# Altium PCB AnalogIO-CAN-HW-Rev1.PcbDoc (part 1 of 2) (continued)
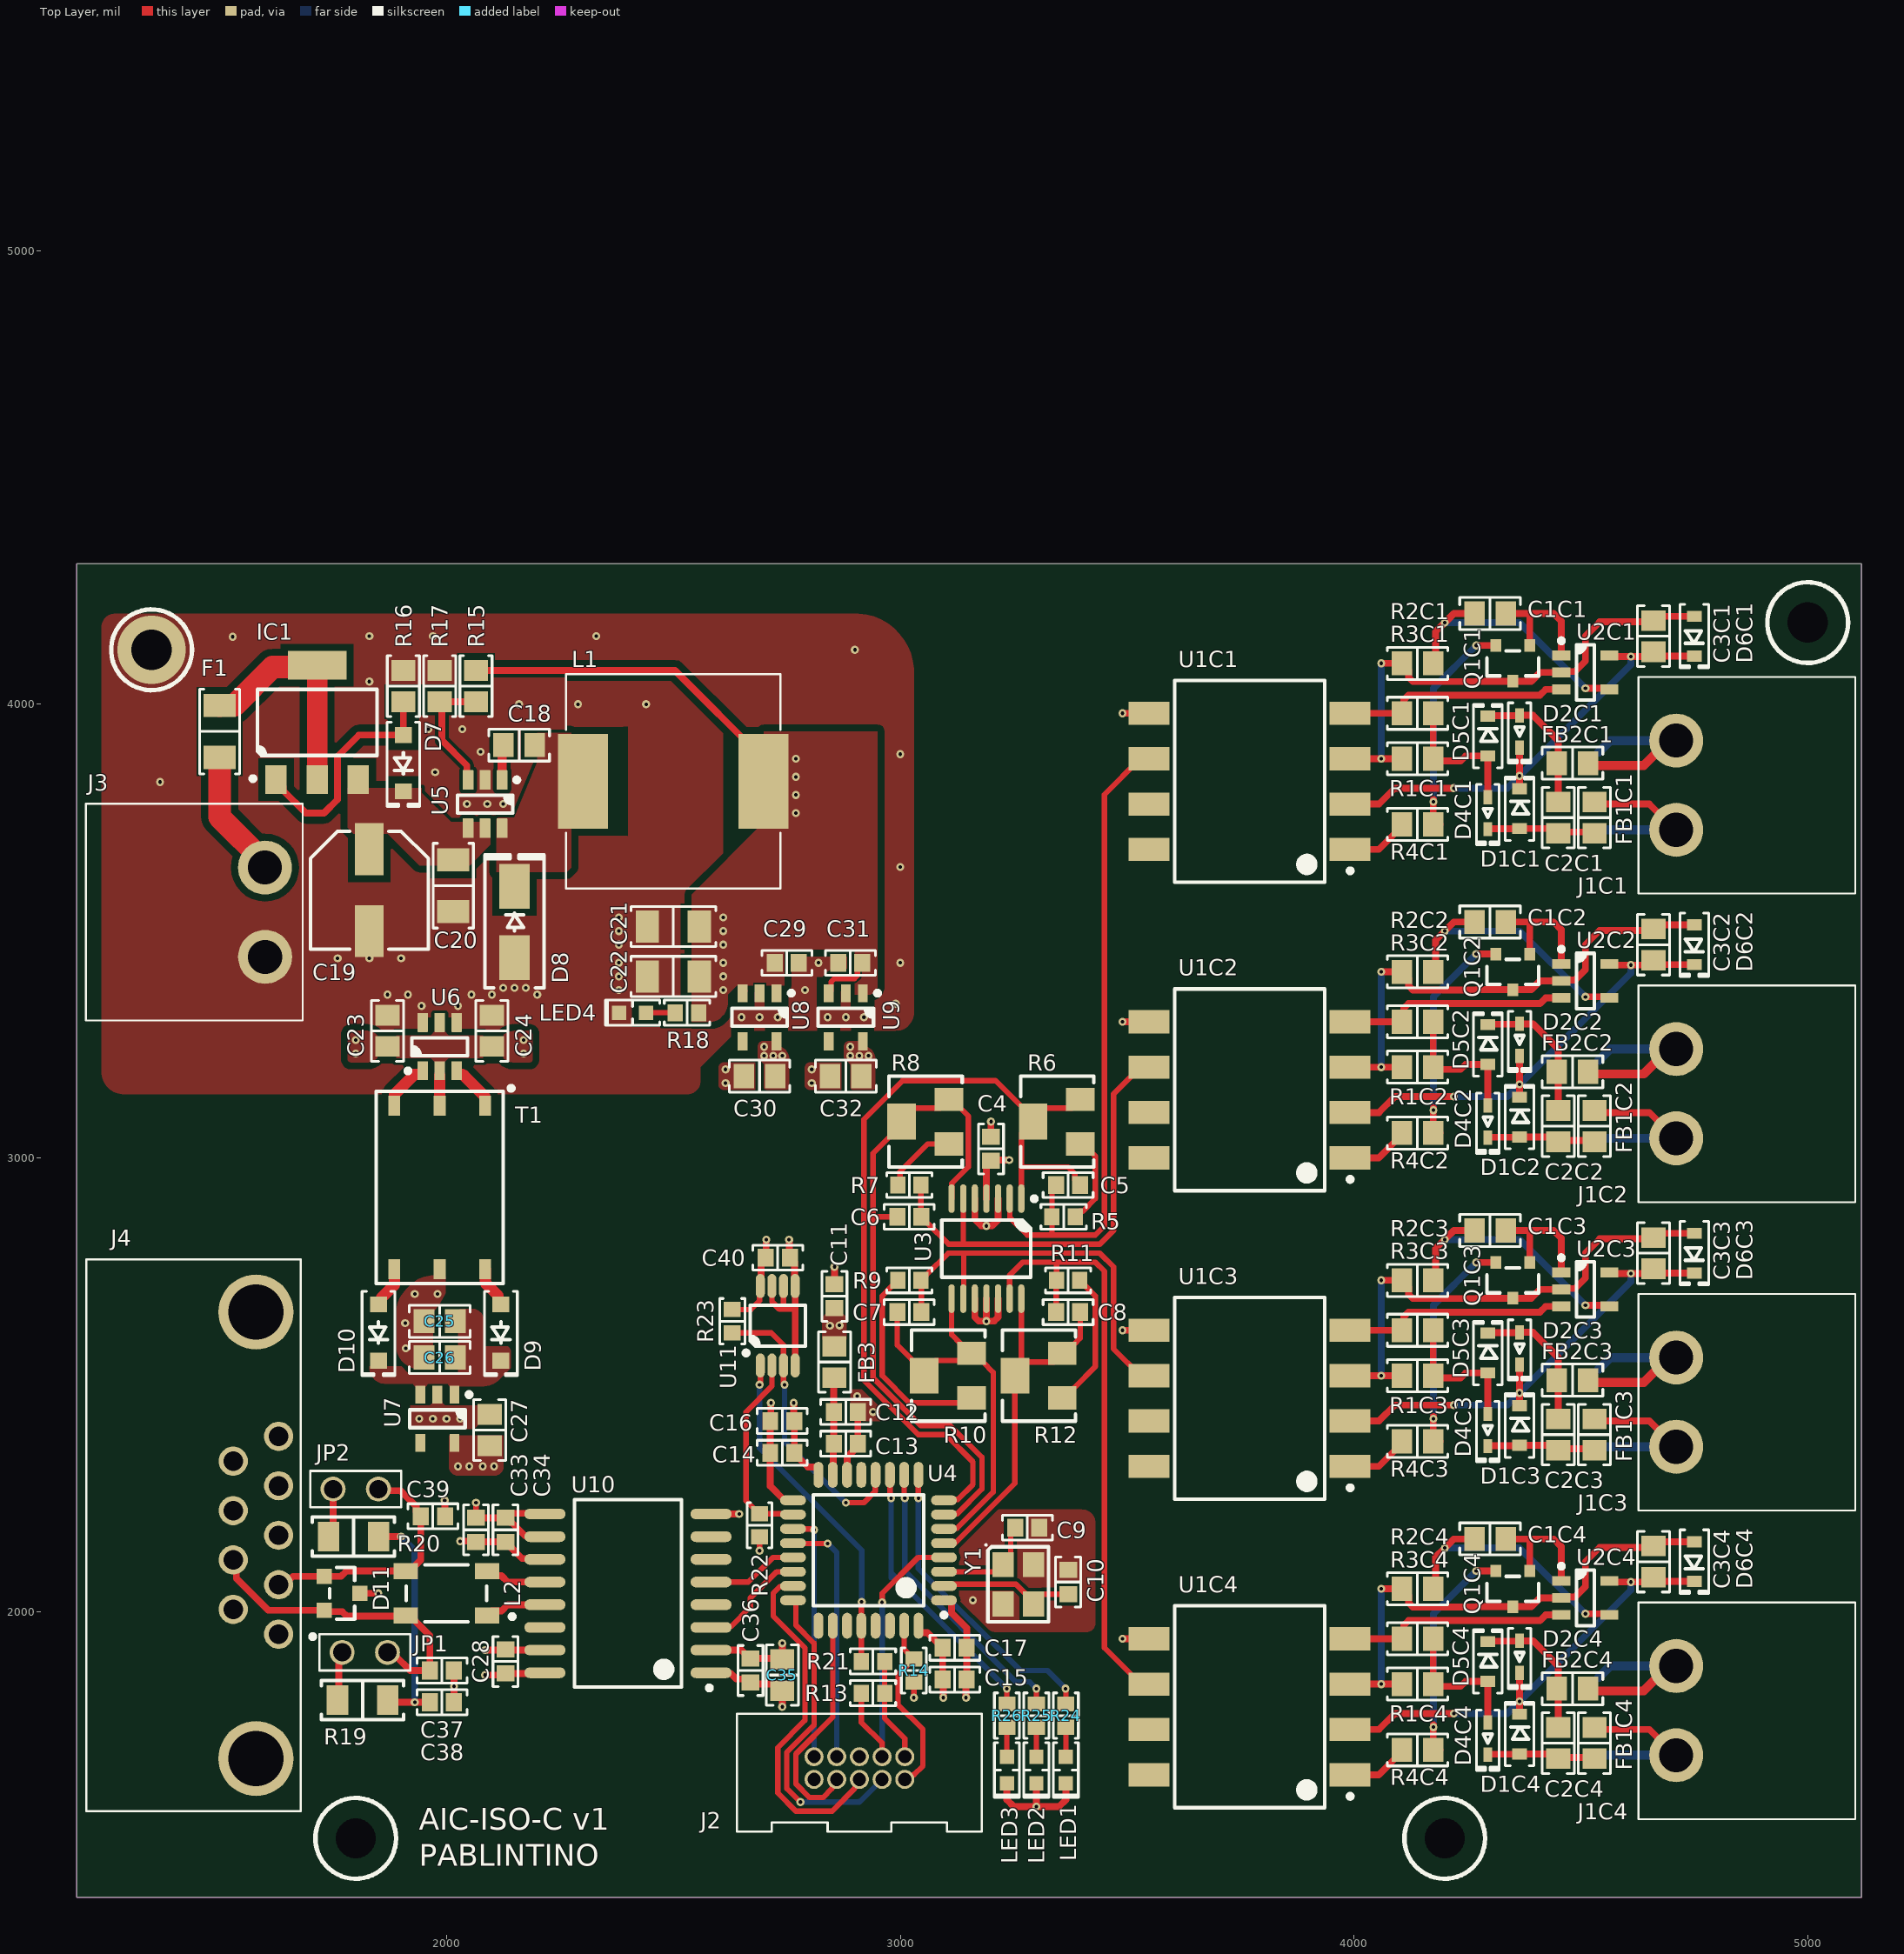
[diagram p0: Top Layer view]
## Design rules (kind name [scope] priority, off if disabled: settings)
BoardOutlineClearance [All] p1: gap=7.87 ignorepadtopadclearanceinfootprint=FALSE
Clearance PowerGNSPlanesClearance [(OnLayer('GND Layer') OR OnLayer('Power Layer'))] p1: gap=15 ignorepadtopadclearanceinfootprint=FALSE
Clearance PowerTopGNDPlaneClearance [InNamedPolygon('GND_L01_P106')] p2: gap=15 ignorepadtopadclearanceinfootprint=FALSE
Clearance GNDCrystalGuardClearance [InNamedPolygon('GND_L01_P059_OSC_GUARD')] p3: gap=8 ignorepadtopadclearanceinfootprint=FALSE
Clearance DCDCPolygonClearance [InNamedPolygon('GND_L01_P094')] p4: gap=8 ignorepadtopadclearanceinfootprint=FALSE
Clearance [All] p5: gap=4 ignorepadtopadclearanceinfootprint=FALSE except(5: Arc-Via Track-Via SMDPad-Via THPad-Via Via-Via Via-Fill Via-Poly Via-Region Via-Text; 9.84: Arc-Hole Track-Hole SMDPad-Hole THPad-Hole Via-Hole Fill-Hole Poly-Hole Region-Hole Text-Hole)
ComponentClearance [All] p1: gap=4 collisioncheckmode=3 verticalgap=4 showdistances=TRUE
DiffPairsRouting [All] p1: maxlimit=4 minlimit=4 mostfreqgap=4 toplayer_minwidth=4 toplayer_maxwidth=71497.94 toplayer_prefwidth=4 midlayer1_minwidth=4 midlayer1_maxwidth=71497.94 midlayer1_prefwidth=4 midlayer2_minwidth=4 midlayer2_maxwidth=71497.94 midlayer2_prefwidth=4 bottomlayer_minwidth=4 bottomlayer_maxwidth=71497.94 bottomlayer_prefwidth=4 maxuncoupledlength=500
Height [All] p1: minheight=0 maxheight=71497.94 prefheight=500
HoleSize [All] p1: absolutevalues=TRUE maxlimit=248.03 minlimit=7.87 maxpercent=80.000 minpercent=20.000
HoleToHoleClearance [All] p1: gap=9.84 allowstackedmicrovias=FALSE
MinimumAnnularRing [All] p1: minimumring=3
MinimumSolderMaskSliver [All] p1: minsoldermaskwidth=0
PlaneClearance [All] p1: clearance=4
PlaneConnect PlaneConnectPowerPads [InPadClass('PowerPads')] p1: planeconnectstyle=Direct reliefexpansion=20 reliefentries=4 reliefconductorwidth=10 reliefairgap=10
PlaneConnect [All] p2: pad.planeconnectstyle=Relief pad.reliefexpansion=11.81 pad.reliefentries=4 pad.reliefconductorwidth=4 pad.reliefairgap=4 via.planeconnectstyle=Direct via.reliefexpansion=11.81 via.reliefentries=4 via.reliefconductorwidth=5 via.reliefairgap=5
PolygonConnect PolygonConnectPowerConverter [InPolygonClass('PowerConverterClass')] p1: connectstyle=Direct reliefconductorwidth=4 reliefentries=4 polygonreliefangle="90 Angle" airgapwidth=4
PolygonConnect PolygonConnectInnerGNDPOwerPlanes [InPolygonClass('InnerGNDVCCPlanes')] p2: connectstyle=Direct reliefconductorwidth=4 reliefentries=4 polygonreliefangle="90 Angle" airgapwidth=4
PolygonConnect PolygonConnectGNDGuard [InPolygonClass('GNDGuardPolygons')] p3: connectstyle=Direct reliefconductorwidth=4 reliefentries=4 polygonreliefangle="90 Angle" airgapwidth=4
PolygonConnect PolygonConnectPowerPads [All vs (InPadClass('PowerPads'))] p4: connectstyle=Direct reliefconductorwidth=10 reliefentries=4 polygonreliefangle="90 Angle" airgapwidth=10
PolygonConnect [All] p5: thpad.connectstyle=Relief thpad.reliefconductorwidth=4 thpad.reliefentries=4 thpad.polygonreliefangle="90 Angle" thpad.airgapwidth=4 smdpad.connectstyle=Relief smdpad.reliefconductorwidth=4 smdpad.reliefentries=4 smdpad.polygonreliefangle="90 Angle" smdpad.airgapwidth=4 via.connectstyle=Direct via.reliefconductorwidth=5 via.reliefentries=4 via.polygonreliefangle="90 Angle" via.airgapwidth=5
PolygonConnect PolygonConnectIsVia [IsVia] p6: connectstyle=Direct reliefconductorwidth=4 reliefentries=4 polygonreliefangle="90 Angle" airgapwidth=4
RoomDefinition U_PowerModule [InComponentClass('U_PowerModule')] p1: confinementstyle=ConfineIn formatcopy=TRUE lockcomponents=FALSE outline 1199.24,3297.18 1199.24,3786.68 1448.76,3786.68 1448.76,4040.46 1559.43,4040.46 1559.43,4132.31 1861.72,4132.31 1861.72,4113.88 2107.39,4113.88 2107.39,4081.05 2770.73,4081.05 2770.73,3464.51 2952.07,3464.51 2952.07,3397.66 2963.72,3397.66 2963.72,3222.34 2953.88,3222.34 2953.88,3137.61 2164.51,3137.61 2164.51,1827.93 2095.49,1827.93 2095.49,2326.12 2052.61,2326.12 2052.61,2337.34 1904.15,2337.34 1904.15,2513.05 1805.65,2513.05 1805.65,3297.18
RoomDefinition U_Peripherals [InComponentClass('U_Peripherals')] p2: confinementstyle=ConfineIn formatcopy=TRUE lockcomponents=FALSE outline 2333.05,3285.49 2333.05,3354.51 2578.13,3354.51 2792.07,3354.51 2792.07,2814.51 2792.07,2759 2805.85,2759 2805.85,1924.51 2998.13,1924.51 3399.51,1924.51 3399.51,1788.72 3399.51,1543.64 3200.49,1543.64 3200.49,1855.49 2881.87,1855.49 2655.49,1855.49 2655.49,2131.87 2655.49,2501 2646.28,2501 2646.28,2581.87 2595.49,2581.87 2595.49,3285.49
RoomDefinition U_CPU [InComponentClass('U_CPU')] p3: confinementstyle=ConfineIn formatcopy=TRUE lockcomponents=FALSE outline 2633.5,1508.5 2633.5,1781.5 2677.93,1781.5 2677.93,2454.51 2812.61,2454.51 2812.61,2623.88 2820.49,2623.88 2820.49,2757.07 2889.51,2757.07 2889.51,2623.88 2897.39,2623.88 2897.39,2474.51 2942.07,2474.51 2942.07,2344.71 3139.71,2344.71 3139.71,2219.51 3342.07,2219.51 3342.07,2127.07 3404.51,2127.07 3404.51,2002.93 3339.79,2002.93 3339.79,1960.53 3186.5,1960.53 3186.5,1508.5
RoomDefinition U_CanTransceiver [InComponentClass('U_CanTransceiver')] p4: confinementstyle=ConfineIn formatcopy=TRUE lockcomponents=FALSE outline 947.06,1545.02 947.06,2791.2 1718.76,2791.2 1718.76,2323.9 1906.5,2323.9 1906.5,2261.52 2639.24,2261.52 2639.24,1933.88 2782.39,1933.88 2782.39,1786.12 2052.07,1786.12 2052.07,1765.49 1913.49,1765.49 1913.49,1753.76 1718.76,1753.76 1718.76,1545.02
RoomDefinition U_AnalogueIsolatedReceiver [InComponentClass('U_AnalogueIsolatedReceiver')] p5: confinementstyle=ConfineIn formatcopy=TRUE lockcomponents=FALSE outline 2957.93,2625.49 2957.93,2904.51 2961.87,2904.51 2961.87,2974.51 2963.32,2974.51 2963.32,3188.33 3438.49,3188.33 3438.49,2971.67 3432.07,2971.67 3432.07,2625.49 3398.49,2625.49 3398.49,2411.67 3013.32,2411.67 3013.32,2625.49
RoomDefinition ARM4 [InComponentClass('ARM4')] p6: confinementstyle=ConfineIn formatcopy=TRUE lockcomponents=FALSE outline 3490,1530 5120,1530 5120,2210 3490,2210
RoomDefinition ARM3 [InComponentClass('ARM3')] p7: confinementstyle=ConfineIn formatcopy=TRUE lockcomponents=FALSE outline 3490,2210 5120,2210 5120,2890 3490,2890
RoomDefinition ARM2 [InComponentClass('ARM2')] p8: confinementstyle=ConfineIn formatcopy=TRUE lockcomponents=FALSE outline 3490,2890 5120,2890 5120,3570 3490,3570
RoomDefinition ARM1 [InComponentClass('ARM1')] p9: confinementstyle=ConfineIn formatcopy=TRUE lockcomponents=FALSE outline 3490,3570 5120,3570 5120,4250 3490,4250
RoutingVias [All] p1: holewidth=7.87 width=17.72 viastyle="Through Hole" minholewidth=7.87 minwidth=17.72 maxholewidth=248.03 maxwidth=257.87
SilkToSilkClearance [All] p1: silktosilkclearance=0
SilkToSolderMaskClearance [IsPad] p1: minsilkscreentomaskgap=4 clearancetoexposedcopper=TRUE
SolderMaskExpansion [All] p1: expansion=2.95 istentingtop=FALSE
Width [All] p1: maxlimit=71497.94 minlimit=4 preferedwidth=4
20 further rules are at their usual default settings.

## Classes and differential pairs
polygon class InnerGNDVCCPlanes: GND_ISO_L02_P030 GND_L02_P036 VCC_5_ISO_L03_P043 VCCA_3V3_L03_P056 VCCD_3V3_L03_P043
polygon class GNDGuardPolygons: GND_L01_P059_OSC_GUARD
polygon class PowerConverterClass: GND_ISO_L01_P073 GND_ISO_L01_P077 GND_L01_0099 GND_L01_P094 GND_L01_P100 GND_L01_P101 GND_L01_P105 GND_L01_P106 NETC18_1_L01_P061 NETC19_1_L01_P060 NetC24_1_L01_099 VCC_5_ISO_L01_P075 VCC_5_L01_P065 VCC_5_L01_P066 VCC_5_L01_P068 VCC_5_L01_P102 VCCA_3V3_L01_P103 VCCA_3V3_L01_P789 VCCA_3V3_L03_P056
channel class AnalogReceiverModule: ARM1 ARM2 ARM3 ARM4
net class LEDIND[1..3]: LEDIND1 LEDIND2 LEDIND3
net class ISOIN[1..4]: ISOIN1 ISOIN2 ISOIN3 ISOIN4
net class AICHN[1..4]: AICHN1 AICHN2 AICHN3 AICHN4
component class U_PowerModule: C18 C19 C20 C21 C22 C23 C24 C25 C26 C27 C28 C29 C30 C31 C32 D7 D8 D9 D10 F1 IC1 J3 L1 LED4 R15 R16 R17 R18 T1 U5 U6 U7 U8 U9
component class U_Peripherals: C40 LED1 LED2 LED3 R21 R22 R23 R24 R25 R26 U11
component class U_CPU: C9 C10 C11 C12 C13 C14 C15 C16 C17 FB3 J2 R13 R14 U4 Y1
component class U_CanTransceiver: C33 C34 C35 C36 C37 C38 C39 D11 J4 JP1 JP2 L2 R19 R20 U10
component class U_AnalogueIsolatedReceiver: C4 C5 C6 C7 C8 R5 R6 R7 R8 R9 R10 R11 R12 U3
component class ARM4: C1C4 C2C4 C3C4 D1C4 D2C4 D3C4 D4C4 D5C4 D6C4 FB1C4 FB2C4 J1C4 Q1C4 R1C4 R2C4 R3C4 R4C4 U1C4 U2C4
component class ARM3: C1C3 C2C3 C3C3 D1C3 D2C3 D3C3 D4C3 D5C3 D6C3 FB1C3 FB2C3 J1C3 Q1C3 R1C3 R2C3 R3C3 R4C3 U1C3 U2C3
component class ARM2: C1C2 C2C2 C3C2 D1C2 D2C2 D3C2 D4C2 D5C2 D6C2 FB1C2 FB2C2 J1C2 Q1C2 R1C2 R2C2 R3C2 R4C2 U1C2 U2C2
component class ARM1: C1C1 C2C1 C3C1 D1C1 D2C1 D3C1 D4C1 D5C1 D6C1 FB1C1 FB2C1 J1C1 Q1C1 R1C1 R2C1 R3C1 R4C1 U1C1 U2C1

## Components (designator, comment, footprint, x,y, rotation, side; value= is the part's Value field where it differs from the comment)
C1C1 "1 nF" "CAP 0805_2012" 4300,4200 r180 top (schematic designator C1)
C1C2 "1 nF" "CAP 0805_2012" 4300,3520 r180 top (schematic designator C1)
C1C3 "1 nF" "CAP 0805_2012" 4300,2840 r180 top (schematic designator C1)
C1C4 "1 nF" "CAP 0805_2012" 4300,2160 r180 top (schematic designator C1)
C2C1 "10 nF" "CAP 0805_2012" 4450,3750 r270 top (schematic designator C2)
C2C2 "10 nF" "CAP 0805_2012" 4450,3070 r270 top (schematic designator C2)
C2C3 "10 nF" "CAP 0805_2012" 4450,2390 r270 top (schematic designator C2)
C2C4 "10 nF" "CAP 0805_2012" 4450,1710 r270 top (schematic designator C2)
C3C1 "100 nF" "CAP 0805_2012" 4660,4150 r270 top (schematic designator C3)
C3C2 "100 nF" "CAP 0805_2012" 4660,3470 r270 top (schematic designator C3)
C3C3 "100 nF" "CAP 0805_2012" 4660,2790 r270 top (schematic designator C3)
C3C4 "100 nF" "CAP 0805_2012" 4660,2110 r270 top (schematic designator C3)
C4 "100 nF" "CAP 0603_1608" 3200,3020 r270 top
C5 "1 nF" "CAP 0603_1608" 3370,2940 r0 top
C6 "1 nF" "CAP 0603_1608" 3020,2870 r180 top
C7 "1 nF" "CAP 0603_1608" 3020,2660 r180 top
C8 "1 nF" "CAP 0603_1608" 3370,2660 r0 top
C9 "6.8 pF" "CAP 0603_1608" 3280,2185 r0 top
C10 "6.8 pF" "CAP 0603_1608" 3370,2065 r90 top
C11 "100 nF" "CAP 0603_1608" 2855,2695 r90 top
C12 "1 uF" "CAP 0603_1608" 2880,2440 r180 top
C13 "100 nF" "CAP 0603_1608" 2880,2370 r0 top
C14 "4.7 uF" "CAP 0603_1608" 2740,2350 r180 top
C15 "100 nF" "CAP 0603_1608" 3120,1850 r180 top
C16 "100 nF" "CAP 0603_1608" 2740,2420 r0 top
C17 "100 nF" "CAP 0603_1608" 3120,1920 r180 top
C18 "100 nF" "CAP 0805_2012" 2160,3910 r180 top
C19 "22 uF" "CAP ALSMD 6.3MM H7.7MM" 1830,3590 r270 top
C20 "2.2 uF" "CAP 1206_3216 - 1.8MM" 2015,3600 r270 top
C21 "10 uF" "CAP 1206_3216 - 1.8MM" 2500,3510 r180 top
C22 "10 uF" "CAP 1206_3216 - 1.8MM" 2500,3400 r180 top
C23 "10 uF" "CAP 0805_2012" 1870,3280 r90 top
C24 "100 nF" "CAP 0805_2012" 2100,3280 r90 top
C25 "10 uF" "CAP 0805_2012" 1985,2640 r180 top
C26 "100 nF" "CAP 0805_2012" 1985,2560 r180 top
C27 "10 uF" "CAP 0805_2012" 2095,2400 r90 top
C28 "100 nF" "CAP 0603_1608" 2130,1890 r90 top
C29 "100 nF" "CAP 0603_1608" 2750,3430 r0 top
C30 "1 uF" "CAP 0805_2012" 2690,3180 r180 top
C31 "100 nF" "CAP 0603_1608" 2890,3430 r180 top
C32 "1 uF" "CAP 0805_2012" 2880,3180 r180 top
C33 "1 uF" "CAP 0603_1608" 2065,2180 r270 top
C34 "100 nF" "CAP 0603_1608" 2130,2180 r90 top
C35 "10 uF" "CAP 0805_2012" 2740,1860 r90 top
C36 "100 nF" "CAP 0603_1608" 2670,1870 r90 top
C37 "68 pF" "CAP 0603_1608" 1990,1870 r0 top
C38 "47 pF" "CAP 0603_1608" 1990,1800 r180 top
C39 "68 pF" "CAP 0603_1608" 1970,2210 r180 top
C40 "10 nF" "CAP 0603_1608" 2730,2780 r0 top
D1C1 "BAT46JFILM" SOD323 4365,3770 r90 top (schematic designator D1)
D1C2 "BAT46JFILM" SOD323 4365,3090 r90 top (schematic designator D1)
D1C3 "BAT46JFILM" SOD323 4365,2410 r90 top (schematic designator D1)
D1C4 "BAT46JFILM" SOD323 4365,1730 r90 top (schematic designator D1)
D2C1 "CDSU101A-HF" SOD523F 4365,3940 r270 top (schematic designator D2)
D2C2 "CDSU101A-HF" SOD523F 4365,3260 r270 top (schematic designator D2)
D2C3 "CDSU101A-HF" SOD523F 4365,2580 r270 top (schematic designator D2)
D2C4 "CDSU101A-HF" SOD523F 4365,1900 r270 top (schematic designator D2)
D3C1 "SM6T39CAY" "DO214AA SMB" 4540,3810.35 r90 bottom (schematic designator D3)
D3C2 "SM6T39CAY" "DO214AA SMB" 4540,3130.35 r90 bottom (schematic designator D3)
D3C3 "SM6T39CAY" "DO214AA SMB" 4540,2450.35 r90 bottom (schematic designator D3)
D3C4 "SM6T39CAY" "DO214AA SMB" 4540,1770.35 r90 bottom (schematic designator D3)
D4C1 "CDSU101A-HF" SOD523F 4295,3760 r270 top (schematic designator D4)
D4C2 "CDSU101A-HF" SOD523F 4295,3080 r270 top (schematic designator D4)
D4C3 "CDSU101A-HF" SOD523F 4295,2400 r270 top (schematic designator D4)
D4C4 "CDSU101A-HF" SOD523F 4295,1720 r270 top (schematic designator D4)
D5C1 "BAT46JFILM" SOD323 4295,3930 r90 top (schematic designator D5)
D5C2 "BAT46JFILM" SOD323 4295,3250 r90 top (schematic designator D5)
D5C3 "BAT46JFILM" SOD323 4295,2570 r90 top (schematic designator D5)
D5C4 "BAT46JFILM" SOD323 4295,1890 r90 top (schematic designator D5)
D6C1 "BZX384C3V3-E3-08" SOD323 4750,4150 r270 top (schematic designator D6)
D6C2 "BZX384C3V3-E3-08" SOD323 4750,3470 r270 top (schematic designator D6)
D6C3 "BZX384C3V3-E3-08" SOD323 4750,2790 r270 top (schematic designator D6)
D6C4 "BZX384C3V3-E3-08" SOD323 4750,2110 r270 top (schematic designator D6)
D7 "MMSZ5240BS-7-F" SOD-123 1905,3870 r270 top
D8 "MBRA160" "DO214AC SMA" 2150,3520 r90 top
D9 "MBR0520L" SOD-123 2120,2615 r270 top
D10 "MBR0520L" SOD-123 1850,2615 r270 top
D11 "CDSOT23-SM712" "BOURNS SOT-23-3" 1770,2040 r0 top
F1 "NANOASMDC012F-2" PPTC_1206_1MM 1500,3940 r90 top
FB1C1 "600 Ohms" "FER 0805_2012" 4530,3750 r270 top (schematic designator FB1)
FB1C2 "600 Ohms" "FER 0805_2012" 4530,3070 r270 top (schematic designator FB1)
FB1C3 "600 Ohms" "FER 0805_2012" 4530,2390 r270 top (schematic designator FB1)
FB1C4 "600 Ohms" "FER 0805_2012" 4530,1710 r270 top (schematic designator FB1)
FB2C1 "600 Ohms" "FER 0805_2012" 4481.5,3870 r0 top (schematic designator FB2)
FB2C2 "600 Ohms" "FER 0805_2012" 4481.5,3190 r0 top (schematic designator FB2)
FB2C3 "600 Ohms" "FER 0805_2012" 4481.5,2510 r0 top (schematic designator FB2)
FB2C4 "600 Ohms" "FER 0805_2012" 4481.5,1830 r0 top (schematic designator FB2)
FB3 "600 Ohms" "FER 0805_2012" 2855,2550 r90 top
IC1 "ZXMP10A18GTA" "DIODES SOT-223" 1715,3960 r90 top
J1C1 "1757475" MSTBA2 4710,3920 r180 top (schematic designator J1)
J1C2 "1757475" MSTBA2 4710,3240 r180 top (schematic designator J1)
J1C3 "1757475" MSTBA2 4710,2560 r180 top (schematic designator J1)
J1C4 "1757475" MSTBA2 4710,1880 r180 top (schematic designator J1)
J2 "SHF-105-01-L-D-TH" SHF-105-01-X-D-TH 2910,1655 r180 top
J3 "1757475" MSTBA2 1600.24,3443.18 r0 top
J4 "09681537613" DSUB9 1580,2168.11 r270 top
JP1 "61300211121" JUMPER-100 1820,1910 r180 top
JP2 "61300211121" JUMPER-100 1800,2270 r180 top
L1 "68 uH" SRR1210 2500,3830 r90 top
L2 "51 uH" TDK_ACT45B 2000,2040 r180 top
LED1 "APTD1608LZGCK" "LED 0603_1608 GREEN" 3365,1650.59 r270 top
LED2 "APTD1608LZGCK" "LED 0603_1608 GREEN" 3300,1650.59 r270 top
LED3 "APTD1608LSECK" "LED 0603_1608 RED" 3235,1650.59 r270 top
LED4 "APTD1608LSECK" "LED 0603_1608 RED" 2410,3320 r180 top
Q1C1 "MMBT3906,215" "NEXPERIA SOT-23-3" 4350,4090 r270 top (schematic designator Q1)
Q1C2 "MMBT3906,215" "NEXPERIA SOT-23-3" 4350,3410 r270 top (schematic designator Q1)
Q1C3 "MMBT3906,215" "NEXPERIA SOT-23-3" 4350,2730 r270 top (schematic designator Q1)
Q1C4 "MMBT3906,215" "NEXPERIA SOT-23-3" 4350,2050 r270 top (schematic designator Q1)
R1C1 "25 Ohms" "RES 0805_2012" 4140,3880 r180 top (schematic designator R1)
R1C2 "25 Ohms" "RES 0805_2012" 4140,3200 r180 top (schematic designator R1)
R1C3 "25 Ohms" "RES 0805_2012" 4140,2520 r180 top (schematic designator R1)
R1C4 "25 Ohms" "RES 0805_2012" 4140,1840 r180 top (schematic designator R1)
R2C1 "10 kOhms" "RES 0805_2012" 4140,4090 r180 top (schematic designator R2)
R2C2 "10 kOhms" "RES 0805_2012" 4140,3410 r180 top (schematic designator R2)
R2C3 "10 kOhms" "RES 0805_2012" 4140,2730 r180 top (schematic designator R2)
R2C4 "10 kOhms" "RES 0805_2012" 4140,2050 r180 top (schematic designator R2)
R3C1 "10 kOhms" "RES 0805_2012" 4140,3980 r180 top (schematic designator R3)
R3C2 "10 kOhms" "RES 0805_2012" 4140,3300 r180 top (schematic designator R3)
R3C3 "10 kOhms" "RES 0805_2012" 4140,2620 r180 top (schematic designator R3)
R3C4 "10 kOhms" "RES 0805_2012" 4140,1940 r180 top (schematic designator R3)
R4C1 "100 Ohms" "RES 0805_2012" 4140,3735 r0 top (schematic designator R4)
R4C2 "100 Ohms" "RES 0805_2012" 4140,3055 r0 top (schematic designator R4)
R4C3 "100 Ohms" "RES 0805_2012" 4140,2375 r0 top (schematic designator R4)
R4C4 "100 Ohms" "RES 0805_2012" 4140,1695 r0 top (schematic designator R4)
R5 "60.4 kOhms" "RES 0603_1608" 3360,2870 r180 top
R6 "10 kOhms" "POT BOURNS TRIMPOT 3224W" 3340,3080 r90 top
R7 "60.4 kOhms" "RES 0603_1608" 3020,2940 r0 top
R8 "10 kOhms" "POT BOURNS TRIMPOT 3224W" 3050,3080 r90 top
R9 "60.4 kOhms" "RES 0603_1608" 3020,2730 r0 top
R10 "10 kOhms" "POT BOURNS TRIMPOT 3224W" 3100,2520 r90 top
R11 "60.4 kOhms" "RES 0603_1608" 3370,2730 r180 top
R12 "10 kOhms" "POT BOURNS TRIMPOT 3224W" 3300,2520 r90 top
R13 "10 kOhms" "RES 0603_1608" 2940,1820 r180 top
R14 "10 kOhms" "RES 0603_1608" 3030,1870 r270 top
R15 "110 kOhms" "RES 0805_2012" 2065,4040 r270 top
R16 "28 kOhms" "RES 0805_2012" 1905,4040 r270 top
R17 "20 kOhms" "RES 0805_2012" 1985,4040 r90 top
R18 "10 kOhms" "RES 0603_1608" 2530,3320 r180 top
R19 "59Ohms" "RES 1206_3216" 1815,1805 r180 top
R20 "59Ohms" "RES 1206_3216" 1795,2165 r180 top
R21 "4.7 kOhms" "RES 0603_1608" 2940,1890 r0 top
R22 "4.7 kOhms" "RES 0603_1608" 2690,2190 r270 top
R23 "4.7 kOhms" "RES 0603_1608" 2630,2640 r270 top
R24 "10 kOhms" "RES 0603_1608" 3365,1770.59 r270 top
R25 "10 kOhms" "RES 0603_1608" 3300,1770.59 r270 top
R26 "4.7 kOhms" "RES 0603_1608" 3235,1770.59 r270 top
T1 "760390014" WE7603900XX 1985,2935 r270 top
U1C1 "HCNR200-550E" HCNR200 3770,3830 r180 top (schematic designator U1)
U1C2 "HCNR200-550E" HCNR200 3770,3150 r180 top (schematic designator U1)
U1C3 "HCNR200-550E" HCNR200 3770,2470 r180 top (schematic designator U1)
U1C4 "HCNR200-550E" HCNR200 3770,1790 r180 top (schematic designator U1)
U2C1 "OPA388IDBVR" "TI SOT-23-5 DBV" 4510,4070 r0 top (schematic designator U2)
U2C2 "OPA388IDBVR" "TI SOT-23-5 DBV" 4510,3390 r0 top (schematic designator U2)
U2C3 "OPA388IDBVR" "TI SOT-23-5 DBV" 4510,2710 r0 top (schematic designator U2)
U2C4 "OPA388IDBVR" "TI SOT-23-5 DBV" 4510,2030 r0 top (schematic designator U2)
U3 "OPA4388IPWR" "TI TSSOP-14 PW" 3190,2800 r270 top
U4 "STM32G431KBT6" LQFP32ST 2930,2135 r180 top
U5 "LMR14010A" "TI SOT-23-6 DDC" 2085,3780 r270 top
U6 "SN6505B" "TI SOT-23-6 DBV" 1985,3245 r90 top
U7 "TPS76350DBVR" "TI SOT-23-5 DBV" 1980,2425 r270 top
U8 "TLV70233DBVR" "TI SOT-23-5 DBV" 2690,3310 r270 top
U9 "TLV70233DBVR" "TI SOT-23-5 DBV" 2880,3310 r270 top
U10 "ISO1042DWR" TI-DW16_N 2400,2040 r180 top
U11 "TMP1075DGKR" "TI VSSOP-8 DGK" 2730,2630 r90 top
Y1 "24 MHz" ABM8G 3260,2060 r270 top
